# Altium PCB UDEMY__MFY.PcbDoc (part 2 of 2)
Units mil, origin at the board's own origin, x right, y up, seen from the top; angles counter-clockwise.
Board outline 3937.01 x 3858.27 mil, 4 copper layers (Top Layer, GROUND, POWER, Bottom Layer), stack 53.912 mil thick; 128 components, 88 nets, 446 pads, 136 vias.
Unrouted connection lines stored in the file: 62.
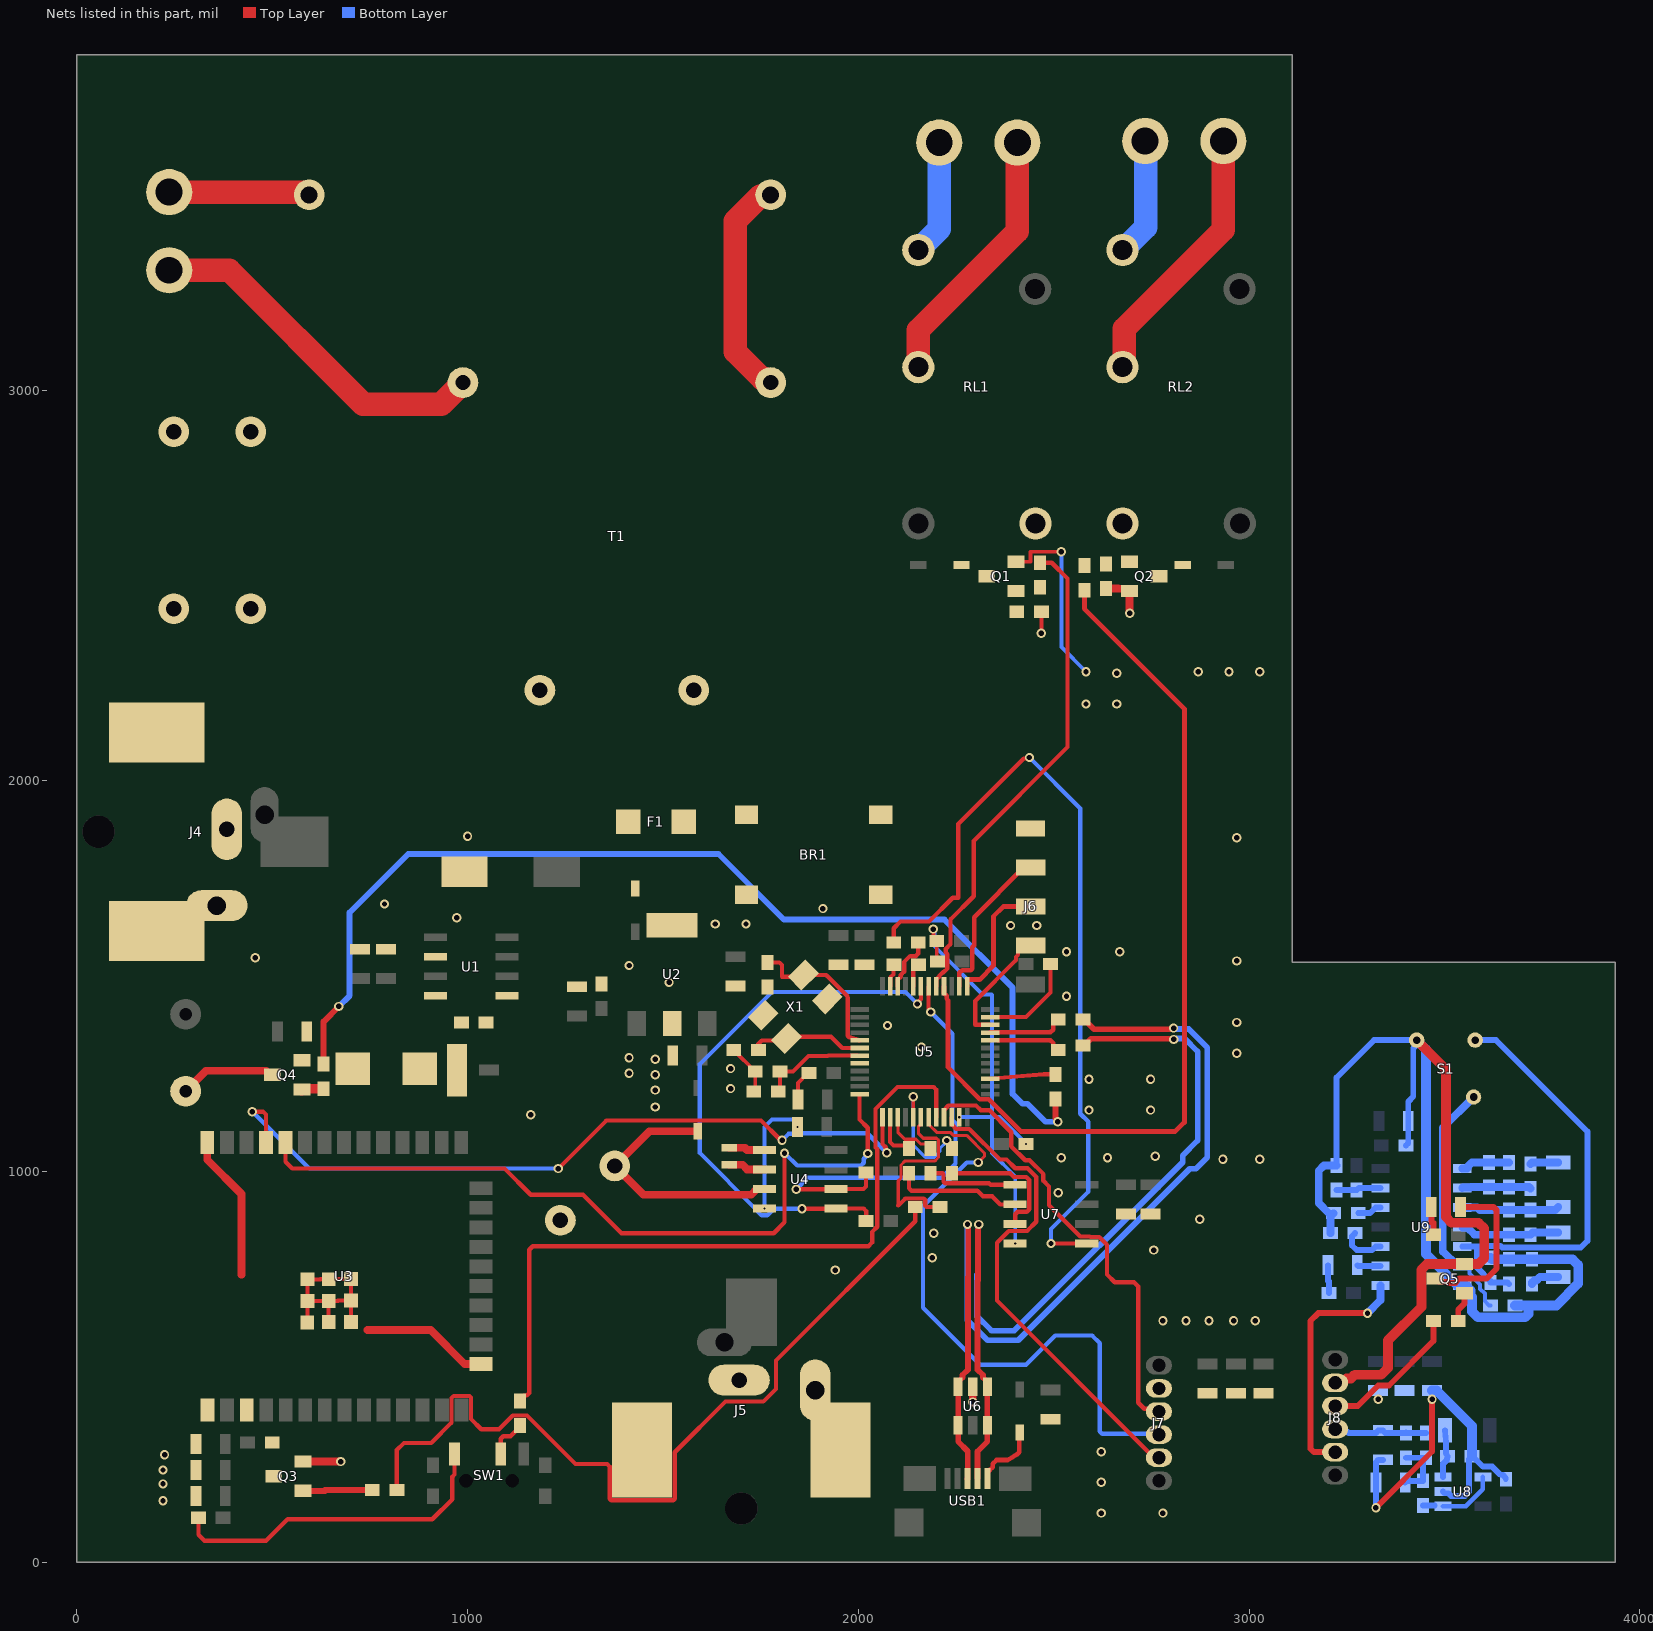
[diagram p4: the nets of this part, all layers, seen from the top]

## Via types
v1: diameter 23.62, hole 13.78, Top Layer to Bottom Layer, 123 vias
v2: diameter 11.81, hole 5.91, Top Layer to Bottom Layer, 11 vias
v3: diameter 19.68, hole 11.81, Top Layer to Bottom Layer, 1 vias
v4: diameter 19.68, hole 11.81, POWER to Bottom Layer, 1 vias

## Nets (pads, with @x,y where several pads share a name; then routed paths per layer and width w, separated by ;. In a path a pad name is that pad's centre, name@x,y a point inside that pad or via, vN(x,y) a via of type N, cw(c..) or ccw(c..) an arc to the next point about the centre after c; other vN are vias at no path point) (continued)
AC_LINE_1: J1.1 R1.1 | length 361.2
  Top Layer w60: J1.1@236.22,3507.09 582.33,3507.09 589.42,3500 R1.1@594.49,3500
AC_LINE_2: J1.2 T1.5 | length 916.7
  Top Layer w60: J1.2@236.22,3307.09 389.76,3307.09 732.28,2964.57 933.07,2964.57 T1.5@988.19,3019.69
BUZZER: R14.1 R18.2 | length 2793.9
  Top Layer w15: R14.1@631.5,1275.2 631.5,1383.86 v1(670.47,1422.84) ; R18.2@2505,1186 2505,1135.6 2510.57,1130.03 v1(2510.57,1127.7)
  Bottom Layer w15: v1(670.47,1422.84) 698.1,1450.46 698.1,1663.1 848,1813 1642,1813 1809.94,1645.06 2220.82,1645.06 2394.95,1470.93 2394.95,1198.89 2420,1173.84 2432.92,1173.84 2479.07,1127.7 v1(2510.57,1127.7)
GND: BR1.4 C1.2 C2.2 C3.1 C4.2 C5.1 C7.2 C8.1 C9.1 C10.1 C11.1 C12.1 C13.1 C14.1 C15.1 C16.2 C17.1 C18.1 C19.1 C20.2 C21.1 C22.1 C23.1 C24.1 C25.2 C26.2 C27.1 C28.1 C29.1 C30.1 C31.2 C32.1 C33.2 D4.A J4.2 J4.3 J5.2 J5.3 J6.5 J7.2 Q1.2 Q2.2 Q3.2 Q4.2 R3.1 R5.1 R12.1 R13.1 U1.6 U2.2 U3.1 U3.15 U3.38 U4. U4.4 U5.8 U5.23 U5.35 U5.47 U6.2 U7. U7.4 X1.2 X1.4 | length 4021.4
  Top Layer w10: U3.38@589.76,614.17 589.76,646.89 590.55,647.68 U3.38@590.55,669.29 ; U3.38@644.43,614.9 U3.38@644.43,669.29 ; U3.38@701.24,615.36 U3.38@701.24,669.75 ; C29.1@1681.14,1311.23 1684.64,1311.23 1695.14,1300.73 1695.14,1297.23 1722.25,1270.11 1722.25,1266.61 1732.75,1256.11 C30.1@1736.25,1256.11 1736.25,1208.7 R12.1@1732.28,1204.72 ; C26.2@1845.67,1185.04 1845.67,1227.13 1870.51,1251.97 C22.1@1874.01,1251.97 ; U5.47@2081.47,1474.03 2082.38,1474.93 2082.38,1497.23 2083.66,1498.51 2083.66,1498.99 2089.65,1504.98 2089.65,1527.98 R13.1@2091.29,1529.62 ; v1(2192.1,1620.75) 2192.1,1599.24 C19.1@2200.79,1590.55 2200.79,1539.84 C21.1@2202.39,1538.24 ; U5.35@2337.77,1395.29 2429.17,1395.29 2492.09,1458.21 C24.1@2492.09,1531.29 ; Q1.2@2403.55,2561.02 2440.2,2561.02 2440.2,2586.61 v1(2519.68,2586.61) ; v1(2468.5,2377.95) 2468.5,2402.57 R3.1@2468.52,2433.07 ; U3.38@590.55,669.29 U3.38@590.55,724.41 623.27,724.41 623.73,724.87 U3.38@701.24,724.87 U3.38@701.24,669.75 ; U3.38@590.55,669.29 U3.38@644.43,669.29 ; U3.38@644.43,669.29 668.07,669.29 668.53,669.75 U3.38@701.24,669.75
  Top Layer w20: U3.38@333.8,1074.8 333.8,1030.28 421.26,942.82 421.26,736.22 ; Q3.2@578.74,257.87 v1(675.2,257.87) ; 744.09,594.49 905.51,594.49 992.58,507.42 U3.15@1033.8,507.42 ; v1(2292.94,410.73) U6.2@2292.94,449.55 ; R5.1@2633.86,2492.12 2664.36,2492.12 2664.51,2491.97 2688.75,2491.97 Q2.2@2694.5,2486.22 v1(2694.5,2429.13)
  Bottom Layer w10: v2(1759.84,905.51) 1759.84,1114.17 1779.53,1133.86 1840.6,1133.86 1844.14,1130.32 1844.14,1114.52 v2(1844.49,1114.17) ; v1(2192.1,1620.75) 2194.71,1618.14 2194.71,1576.95 2317.89,1453.76 2341.51,1453.76 2342.52,1452.76 2342.52,1139.38 ; v2(2258.64,1139.38) 2342.52,1139.38 ; v2(2401.57,816.14) 2401.57,988.19 2342.52,1047.24 2342.52,1139.38 ; v2(2429.14,1070.87) 2428.8,1071.21 2428.8,1072.06 2361.48,1139.38 2342.52,1139.38 ; v1(2519.68,2586.61) 2519.68,2342.52 v1(2582.68,2279.53)
  other v1: 2622.05,125.98 2779.53,125.98 220.47,157.48 220.47,200.79 2622.05,204.72 220.47,236.22 224.41,275.59 2621.67,282.93 2779.53,618.11 2838.58,618.11 2897.64,618.11 2960.63,618.11 3015.75,618.11 1940.94,748.03 2188.98,779.53 2755.91,799.21 2192.91,842.52 2874.02,877.95 2511.81,946.19 2933.07,1031.5 3027.56,1031.5 2519.68,1035.43 2637.8,1035.43 2759.84,1039.37 1161.42,1145.67 2590.55,1157.48 2748.03,1157.48 1480.32,1165.35 1480.32,1208.66 1673.23,1212.6 2590.55,1236.22 2748.03,1236.22 1480.32,1248.03 1413.39,1251.97 1673.23,1263.78 1480.32,1287.4 1413.39,1291.34 2968.5,1303.15 2161.42,1318.9 2074.8,1374.02 2968.5,1381.89 2532.81,1448.82 1515.75,1484.25 1413.39,1527.56 2968.5,1539.37 456.69,1547.24 2532.81,1562.99 2669.29,1562.99 2389.76,1629.92 2456.69,1629.92 1633.86,1633.86 1712.6,1633.86 972.44,1649.61 1909.45,1673.23 787.4,1685.04 2968.5,1854.33 1000,1858.27 2582.68,2196.85 2661.42,2196.85 2661.42,2275.59 2870.08,2279.53 2948.82,2279.53 3027.56,2279.53
GND_S: C37.1 C39.1 C40.1 C41.1 C42.1 C43.1 C44.1 C45.1 C46.1 C47.1 C48.1 J8.2 Q5.2 R23.2 R25.2 R28.1 R30.1 R31.1 S1.3 U8.2 U9.7 | length 4632.5
  Top Layer w15: v1(3324.8,139.76) 3468.5,283.46 v1(3468.5,417.32)
  Top Layer w25: J8.2@3220.47,459.25 3238.09,459.25 3249.21,470.37 3255.83,470.37 3256.08,470.63 3260.87,470.63 3270.56,480.32 3338.53,480.32 3355.88,497.67 3355.88,568.48 3441.22,653.82 3441.22,749.13 3455.87,763.78 Q5.2@3551.18,763.78 3587.72,763.78 3602.36,778.42 3602.36,854.33 3587.72,868.98 3518.58,868.98 3503.94,883.62 3503.94,1261.81 S1.3@3429.13,1336.61
  Bottom Layer w15: C42.1@3224.2,1015.71 3224.2,1241.12 3319.7,1336.61 S1.3@3429.13,1336.61 3424.47,1331.95 3424.47,1319.61 3420.51,1315.64 3420.51,1192.17 3407.48,1179.14 C44.1@3407.48,1129.92 3407.48,1072.83 C45.1@3401.57,1066.93 ; v1(3324.8,139.76) C41.1@3324.8,204.72 3324.8,256.12 3331.08,262.4 C43.1@3342.52,262.4 ; U8.2@3496.06,181.1 3500.37,176.79 3510.22,176.79 3516.89,170.12 3552.49,170.12 3562.99,180.62 3562.99,263.78 R25.2@3570.87,271.65 ; R25.2@3571.05,271.84 3582.37,261.18 3598.63,244.92 3622.45,244.92 3643.3,224.06 3649.27,224.06 3657.27,216.06 C40.1@3657.27,213.08
  Bottom Layer w20: R31.1@3204.4,893.7 3178.3,919.81 3178.3,1001.89 3192.13,1015.71 C42.1@3224.2,1015.71 ; R30.1@3208.66,842.52 3208.66,885.83 R31.1@3216.53,893.7
  Bottom Layer w25: S1.3@3429.13,1336.61 3452.76,1312.99 3452.76,789.18 3533.66,708.27 U9.7@3556.22,708.27 ; C48.1@3468.5,439.57 3480.31,439.57 3570.87,349.01 R25.2@3570.87,271.65 ; U9.7@3556.4,706.99 3567.11,696.28 3567.11,682.83 3570.87,679.07 3570.87,641.83 3585.51,627.19 3706.28,627.19 3715.07,635.98 3715.07,657.69 ; R28.1@3617.64,779.06 R28.1@3618.11,779.53 ; R28.1@3621.11,775.59 3633.86,775.59 C39.1@3665.35,775.6 R23.2@3724.41,775.59 3827.88,775.59 3842.52,760.95 3842.52,713.19 3787.02,657.69 3715.07,657.69 ; C37.1@3681.07,657.69 3715.07,657.69
  other v1: 3330.71,417.32
LED_DRIVER: J7.3 U5.21 | length 1158.5
  Top Layer w11: U5.21@2219.67,1157.51 2220.1,1157.51 2226.55,1163.95 2226.55,1165.7 2230.36,1169.51 2301.11,1169.51 2313.24,1157.38 2335.26,1157.38 2391.64,1101 2391.64,1064.67 2427.18,1029.13 2438.06,1029.13 2473.6,993.59 2473.6,976.65 2488.19,962.06 2488.19,914.04 2568.08,834.14 2592.1,834.14 2593.76,832.48 2616.87,832.48 2636.68,812.67 2636.68,736.95 2656.5,717.13 2705.45,717.13 2716.35,706.22 2716.35,408.6 2732.05,392.9 2762.61,392.9 J7.3@2769.55,385.97
LED_S: J8.3 R36.1 | length 372.2
  Top Layer w15: J8.3@3220.47,400.2 3278.15,400.2 3330.71,452.76 3358.27,452.76 3472.44,566.93 R36.1@3472.44,618.11
LIGHT_1_GND: J3.2 RL1.3 | length 297
  Bottom Layer w60: RL1.3@2153.55,3359.06 2207.09,3412.6 J3.2@2207.09,3633.86
LIGHT_1_VCC: J3.1 RL1.2 | length 679.8
  Top Layer w60: RL1.2@2153.55,3059.06 2153.55,3153.55 2407.09,3407.09 J3.1@2407.09,3633.86
LIGHT_2_GND: J2.2 RL2.3 | length 297
  Bottom Layer w60: RL2.3@2681.85,3363.23 2735.39,3416.78 J2.2@2735.39,3638.04
LIGHT_2_VCC: J2.1 RL2.2 | length 679.8
  Top Layer w60: RL2.2@2680.72,3062.99 2680.72,3157.49 2934.26,3411.03 J2.1@2934.26,3637.8
MCU_N: R15.1 U5.32 | length 171.5
  Top Layer w12: U5.32@2355.39,1336.23 2491.78,1336.23 2498.81,1329.2 2498.81,1320.92 2508.31,1311.42 R15.1@2511.81,1311.42
MCU_P: R16.1 U5.33 | length 197.7
  Top Layer w12: U5.33@2337.77,1356.43 2491.78,1356.43 2498.81,1363.46 2498.81,1380.26 2508.31,1389.76 R16.1@2511.81,1389.76
NetBR1_1: BR1.1 T1.9
NetBR1_2: BR1.2 T1.7
NetBR1_3: BR1.3 F1.1 F1.3
NetBZ1_1: BZ1.1 Q4.3 | length 248.8
  Top Layer w20: BZ1.1@278.26,1205.99 330.28,1258.02 484.9,1258.02 495.28,1247.64 Q4.3@501.18,1247.64
NetC1_1: C1.1 C2.1 D7.2 F1.2
NetC6_1: C6.1 U1.1
NetC6_2: C6.2 D4.C L1.1 U1.8
NetC25_1: C25.1 D5.1 U4.3 | length 668.4
  Top Layer w20: D5.1@1588.58,1103.54 1465.75,1103.54 C25.1@1376.68,1014.48 1450.22,940.94 1725.59,940.94 1740.16,955.51 U4.3@1759.84,955.51
NetC28_2: C28.2 U5.5 X1.3 | length 395.5
  Top Layer w11: C28.2@1767.51,1535.48 1798.01,1535.48 1804.45,1529.03 1804.45,1498.88 1804.79,1498.54 1854.59,1498.54 X1.3@1859.46,1503.41 1913.3,1503.41 cw(c1913.3,1492.41) 1919.9,1501.21 cw(c1913.3,1492.41) 1921.07,1500.19 1969.78,1451.48 cw(c1962,1443.7) 1973,1443.7 1973,1350.01 ccw(c1979.5,1350.01) 1977.66,1343.78 2001.76,1336.64 U5.5@2003.13,1336.23
NetC29_2: C29.2 U5.6 X1.1 | length 294.2
  Top Layer w11: C29.2@1744.14,1311.23 1744.14,1326.81 1753,1335.68 1811.44,1335.68 X1.1@1816.31,1340.55 1821.18,1345.42 1929.86,1345.42 1958.73,1316.55 U5.6@2003.13,1316.55
NetC34_1: C34.1 C36.1 R24.1 U9.3 | length 251.7
  Bottom Layer w20: U9.3@3545.67,908.27 3583.9,908.27 3590.63,901.54 C34.1@3665.15,901.54 3689.93,901.54 ; C36.1@3791.34,909.45 3783.62,901.73 3760,901.73 3759.85,901.58 R24.1@3720.47,901.58 3689.97,901.58 ; 3689.93,901.54 3689.97,901.58
NetC34_2: C34.2 C35.1 R24.2 U9.4 | length 256.5
  Bottom Layer w20: U9.4@3545.67,858.27 3546.89,857.05 3558.9,857.05 3577.41,838.54 C34.2@3665.15,838.54 ; C34.2@3665.18,838.58 R24.2@3720.47,838.58 3720.47,838.99 3725.97,844.49 C35.1@3791.34,844.49
NetC35_2: C35.2 R23.1 | length 76.3
  Bottom Layer w20: R23.1@3724.41,712.59 3724.41,716.09 3729.91,721.59 3735.72,721.59 3744.44,730.32 C35.2@3791.34,730.32
NetC36_2: C36.2 R26.1 | length 72.5
  Bottom Layer w20: R26.1@3720.47,1019.69 3724.41,1023.62 C36.2@3791.34,1023.62
NetC37_2: C37.2 S1.1 U9.6 | length 632.5
  Bottom Layer w10: U9.6@3545.67,758.27 3557.68,758.27 3563.9,752.05 3563.9,739.25 3591.61,711.54 3591.61,700.05 3604.07,687.59 3604.07,668.19 3614.57,657.69 C37.2@3618.07,657.69
  Bottom Layer w20: U9.6@3545.67,758.27 3533.66,758.27 3496.06,795.87 3496.06,1112.2 S1.1@3574.8,1190.94
NetC38_1: C38.1 R26.2 R27.1 U9.2 | length 177.4
  Bottom Layer w20: U9.2@3545.67,958.27 3546.89,959.49 3567.2,959.49 3568.33,960.63 R27.1@3614.17,960.63 R27.1@3614.17,960.63 3716.49,960.67 R26.2@3720.47,956.69
NetC38_2: C38.2 R27.2 U9.1 | length 127.7
  Bottom Layer w20: U9.1@3545.67,1008.27 3557.68,1008.27 3558.9,1009.49 3558.9,1011.91 3570.61,1023.63 3644.67,1023.63 ; 3644.67,1023.67 C38.2@3665.56,1023.67
NetC39_2: C39.2 R28.2 S1.2 U9.5 | length 1143
  Bottom Layer w15: U9.5@3545.67,808.27 3583.86,808.27 ; S1.2@3578.74,1336.61 3631.89,1336.61 3866.14,1102.36 3866.14,822.83 3848.91,805.6 3685.41,805.6 3648.03,805.6 3644.1,809.53 3598.05,809.53 3596.79,808.27 3583.86,808.27 ; R28.2@3618.11,716.53 3618.11,720.03 3583.86,754.28 3583.86,808.27 ; R28.2@3623.61,716.53 3661.42,716.53 C39.2@3665.35,712.6
NetC41_2: C41.2 R29.2 R32.1 R33.1 | length 160.4
  Bottom Layer w15: C41.2@3399.61,204.72 3403.55,208.67 R29.2@3444.88,208.67 3444.88,259.84 R32.1@3452.76,267.71 R33.1@3401.57,267.71
NetC42_2: C42.2 R35.1 U9.13 | length 114.3
  Bottom Layer w15: C42.2@3224.2,952.71 R35.1@3275.55,952.71 ; R35.1@3275.59,952.76 3281.1,958.26 U9.13@3336.22,958.26
NetD1_2: D1.2 Q1.3 RL1.4
NetD2_2: D2.2 Q2.3 RL2.5
NetD3_2: D3.2 USB1.1 | length 165.9
  Top Layer w12: USB1.1@2330.9,214.57 2330.9,233.27 2332.77,235.14 2335.54,235.14 2344.34,243.94 2344.34,252.41 2353.71,261.78 2378.62,261.78 2382,261.78 2384.88,263.55 2407.65,277.49 2412.17,282.01 2412.17,310.13 D3.2@2413.39,324.8
NetD6_1: D6.1 U9.9 | length 59.9
  Bottom Layer w15: D6.1@3277.27,760.54 3279.55,758.26 U9.9@3336.22,758.26
NetD6_2: D6.2 R34.1 | length 73.5
  Bottom Layer w15: D6.2@3202.47,760.54 3202.47,719.95 3202.94,719.48 3204.72,719.48 R34.1@3204.72,688.98
NetJ7_5: J7.5 U5.22 | length 1257.6
  Top Layer w11: U5.22@2239.36,1139.38 2239.36,1121.26 2246.23,1114.39 2246.23,1113.07 2250.04,1109.26 2284.05,1109.26 2362.45,1030.87 2379.27,1030.87 2401.64,1008.5 2433.24,1008.5 2455.6,986.13 2455.6,871.61 2432.14,848.14 2385.01,848.14 2355.03,818.16 2355.03,670.02 2757.19,267.85 J7.5@2769.55,267.85
NetJ8_5: J8.5 U9.8 | length 631.9
  Top Layer w15: J8.5@3220.47,282.09 3166.27,282.09 3157.48,290.87 3157.48,618.11 3177.17,637.8 v1(3303.15,637.8)
  Bottom Layer w20: v1(3303.15,637.8) 3336.22,670.87 U9.8@3336.22,708.26
NetLED1_1: LED1.1 Q5.3 | length 422.3
  Top Layer w15: Q5.3@3476.38,726.38 3484.63,718.13 3507.1,718.13 3509.81,715.42 3528.03,715.42 3538.99,726.38 3608.27,726.38 3633.86,751.97 3633.86,901.14 3625.07,909.92 LED1.1@3541.47,909.92
NetLED1_2: LED1.2 R37.2 | length 77
  Top Layer w15: LED1.2@3466.67,909.92 3466.67,869.33 3466.92,869.08 3472.44,869.08 R37.2@3472.44,838.58
NetQ1_1: Q1.1 R2.1 R3.2
NetQ2_1: Q2.1 R4.1 R5.2
NetQ3_1: Q3.1 R8.2 | length 179.1
  Top Layer w15: Q3.1@578.74,183.07 634.85,183.07 634.85,185.04 R8.2@755.9,185.04
NetQ4_1: Q4.1 R14.2 | length 59
  Top Layer w25: Q4.1@574.41,1207.48 575.98,1207.48 580.7,1212.2 R14.2@631.5,1212.2
NetQ5_1: Q5.1 R36.2 | length 77.4
  Top Layer w15: R36.2@3535.44,618.11 3535.44,646.49 3551.18,662.24 Q5.1@3551.18,688.98
NetR1_2: R1.2 T1.1 | length 576.1
  Top Layer w60: T1.1@1775.59,3019.69 1770.52,3019.69 1761.15,3029.06 1754.41,3029.06 1685.04,3098.43 1685.04,3433.07 1748.38,3496.41 1772,3496.41 R1.2@1775.59,3500
NetR2_2: R2.2 U5.41 | length 1275.2
  Top Layer w11: U5.41@2199.58,1474.03 2199.58,1491.75 2206.86,1499.03 2206.86,1500.34 2216.71,1510.2 2218.04,1510.2 2227.89,1520.05 2227.89,1556.43 2223.68,1560.64 2223.68,1569.75 2236.22,1582.29 2236.22,1645.67 2295.28,1704.72 2295.28,1846.46 2535.43,2086.61 2535.43,2518.24 2495.07,2558.6 R2.2@2464.57,2558.6
NetR4_2: R4.2 U5.40 | length 2362
  Top Layer w12: U5.40@2219.27,1474.03 2219.27,1456.5 2226.05,1449.72 2226.05,1442.36 2229.54,1438.87 2229.54,1267.25 2311.25,1185.53 2333.28,1185.53 2415.92,1102.88 2811.55,1102.88 2834.65,1125.98 2834.65,2185.04 2578.74,2440.94 R4.2@2578.74,2488.19
NetR6_1: R6.1 SW1.2 | length 104.2
  Top Layer w11: SW1.2@1084.65,277.56 1084.65,316.39 1091.09,322.83 1109.8,322.83 1133.86,346.89 R6.1@1133.86,350.39
NetR11_1: R11.1 SW1.1 | length 862.2
  Top Layer w11: R11.1@311.02,114.17 311.02,70.87 326.77,55.12 484.25,55.12 539.37,110.24 909.72,110.24 960.67,161.19 960.67,218.82 966.54,224.69 SW1.1@966.54,277.56
NetR13_2: R13.2 U5.44 | length 62.4
  Top Layer w11: U5.44@2140.53,1474.03 2140.53,1513.89 cw(c2151.53,1513.89) 2140.54,1514.42 2140.79,1519.62 R13.2@2154.29,1529.62
NetR17_1: R17.1 U5.18 | length 489.2
  Top Layer w8: 2102.36,913.39 2102.36,976.29 2109.42,983.35 2109.42,1017.13 2119.85,1027.56 2196.6,1027.56 2201.28,1032.25 2201.28,1033.73 2205.54,1037.99 2205.54,1080.13 2200.05,1085.62 2166.14,1085.62 2153.71,1098.05 2153.71,1115.17 2160.21,1121.67 U5.18@2160.21,1139.38
  Top Layer w11: 2102.36,913.39 2120.43,931.45 2167.36,931.45 2171.17,927.64 2171.17,912.95 2174.67,909.45 R17.1@2208.67,909.45
NetR18_1: R18.1 U5.27 U5.@2337.77,1237.81 | length 167.7
  Top Layer w11: U5.@2337.77,1237.81 2342.73,1238.21 2474.5,1249 R18.1@2505,1249
NetR19_1: R19.1 U7.1 | length 240.1
  Top Layer w11: R19.1@2185.04,996.06 2215.54,996.06 2218.16,993.44 2218.16,974.37 2222.27,970.26 2334.73,970.26 2338.84,966.14 U7.1@2401.57,966.14
NetR20_1: R20.1 U7.3 | length 345.8
  Top Layer w11: R20.1@2240.16,996.06 2388.62,996.06 2398.23,986.45 2429.82,986.45 2437.6,978.68 2437.6,961.74 2437.6,957.96 2437.6,903.61 2431.42,897.43 2408.02,897.43 2401.57,890.98 U7.3@2401.57,866.14
NetR21_1: R21.1 U7.5 | length 2112.5
  Top Layer w11: R21.1@2090.54,1586.61 2090.54,1622.83 2107.87,1640.16 2181.1,1640.16 2241.73,1700.79 2255.91,1700.79 2255.91,1889.76 2423.64,2057.5 2435.45,2057.5 v1(2437.86,2059.91) ; v1(2493.31,816.14) U7.5@2584.65,816.14
  Bottom Layer w11: v1(2437.86,2059.91) 2568.24,1929.53 2568.24,1148.24 2588.87,1127.61 2588.87,948.77 2493.31,853.21 v1(2493.31,816.14)
NetR22_1: R22.1 U7.2 | length 327.3
  Top Layer w11: R22.1@2129.92,996.06 2129.92,957.58 2136.36,951.13 2304.77,951.13 2318.9,937.01 2342.52,937.01 2363.39,916.14 U7.2@2401.57,916.14
NetR25_1: R25.1 RT1.1 U8.3 | length 124.8
  Bottom Layer w15: U8.3@3496.06,218.5 3496.06,250.94 3505.18,260.06 3506.59,263.65 R25.1@3507.87,271.65 3503.9,279.65 3503.9,309.88 3503.52,314.59 RT1.1@3501.62,338.18
NetR29_1: R29.1 U8.1 U8.4 | length 181.9
  Bottom Layer w12: U8.1@3496.3,143.94 3555.3,143.94 3598.43,187.06 U8.4@3598.43,218.5
  Bottom Layer w15: R29.1@3444.88,145.67 U8.1@3475.38,145.67
NetR30_2: R30.2 U9.10 | length 115.8
  Bottom Layer w15: R30.2@3271.66,842.52 3263.78,834.64 3263.78,811.02 3275.59,799.21 3315.16,799.21 3324.21,808.26 U9.10@3336.22,808.26
NetR31_2: R31.2 U9.12 | length 62.7
  Bottom Layer w15: R31.2@3279.53,893.7 3309.65,893.7 3324.21,908.26 U9.12@3336.22,908.26
NetU4_1: U4.1 X2.1 | length 92.8
  Top Layer w20: X2.1@1669.29,1061.02 1709.8,1061.02 1715.32,1055.51 U4.1@1759.84,1055.51
NetU4_2: U4.2 X2.2 | length 96.1
  Top Layer w20: X2.2@1669.29,1017.72 1703.98,1017.72 1715.32,1006.38 1715.32,1005.51 U4.2@1759.84,1005.51
NRST: C30.2 R12.2 U5.7 | length 268.8
  Top Layer w10: R12.2@1795.28,1204.72 1799.25,1208.7 C30.2@1799.25,1256.11 1833.25,1256.11 1872.62,1295.48 1921.3,1295.48 1923.06,1297.24 U5.7@1998.03,1297.24
RTC_SCL: R9.1 U4.6 U5.42 | length 1134.4
  Top Layer w11: v1(1841,955) 1915,955 1915.51,955.51 U4.6@1942.91,955.51 2013.06,955.51 2019.5,961.96 R9.1@2019.5,998 ; U5.42@2179.9,1474.03 2179.9,1417.67 2185.58,1411.99 v1(2185.58,1408.58)
  Bottom Layer w11: v1(1841,955) 1870.25,984.25 2212.71,984.25 2248.66,1020.2 2248.66,1124.61 2241.14,1132.13 2241.14,1353.02 v1(2185.58,1408.58)
RTC_SDA: R10.1 U4.5 U5.43 | length 1449.7
  Top Layer w11: v1(1856,905) 1856.26,905.26 1942.66,905.26 U4.5@1942.91,905.51 2013.56,905.51 2020,899.07 R10.1@2020,874 ; v1(2151.2,1429.12) 2151.2,1432.38 2160.21,1441.4 U5.43@2160.21,1474.03
  Bottom Layer w11: v1(1856,905) 1784.01,905 1777.34,898.33 1777.34,898.26 1767.09,888.01 1752.59,888.01 1742.34,898.26 1742.34,899.66 1594.49,1047.51 1594.49,1275.49 1778.72,1459.72 2120.6,1459.72 v1(2151.2,1429.12)
SENSOR_ONOFF: R6.2 U5.20 | length 1887.6
  Top Layer w11: R6.2@1133.86,413.39 1133.86,416.89 1143.86,426.89 1151.23,426.89 1157.67,433.33 1157.67,800.21 1166.54,809.07 2026.06,809.07 2035.43,818.44 2035.43,845.74 2048.47,858.78 2048.47,1057.31 2043.79,1062 2043.79,1160.1 2100.22,1216.54 2192.73,1216.54 2199.18,1210.09 2199.18,1139.79 U5.20@2199.58,1139.38
SWCLK: J6.3 U5.37 | length 331
  Top Layer w12: U5.37@2278.72,1474.03 2278.72,1491.56 2278.81,1491.65 2310.57,1491.65 2345.92,1527 2345.92,1653 2371.39,1678.48 J6.3@2440.94,1678.48
SWDIO: J6.2 U5.34 | length 310.5
  Top Layer w11: U5.34@2337.77,1375.6 2299.15,1375.6 2299.15,1436.95 2403.59,1541.39 2403.59,1549.48 2408.85,1554.74 2408.85,1563.77 2423.82,1578.74 J6.2@2440.94,1578.74
TDI: J6.4 U5.38 | length 402.9
  Top Layer w12: U5.38@2258.64,1474.03 2258.64,1508.71 2265.67,1515.74 2287.29,1515.74 2291.39,1519.84 2291.39,1573.76 2296.61,1578.97 2296.61,1651.33 2423.96,1778.69 J6.4@2441.09,1778.69
TEMP_ADC: C43.2 J8.4 R32.2 R33.2 | length 242.6
  Bottom Layer w15: J8.4@3220.47,341.14 3228.24,333.38 3252.56,333.38 3255.22,330.71 3324.22,330.71 3330.71,337.2 C43.2@3342.52,337.2 3348.8,330.92 3369.18,330.92 3369.4,330.71 R33.2@3401.57,330.71 ; R33.2@3401.57,332.22 3403.08,330.71 R32.2@3452.76,330.71
TEMP_IN_CS: R22.2 U5.14 | length 118.8
  Top Layer w10: U5.14@2081.47,1139.38 2081.47,1076.01 2090.43,1067.06 2121.92,1067.06 R22.2@2129.92,1059.06
TEMP_IN_OT: R21.2 U5.46 | length 143
  Top Layer w11: U5.46@2101.16,1474.03 2101.16,1491.75 2101.56,1492.15 2101.99,1492.15 2108.44,1498.6 2108.44,1503.08 2117.3,1511.94 2117.3,1536.32 2132.6,1551.62 2147.1,1551.62 2153.54,1558.07 R21.2@2153.54,1586.61
TEMP_IN_SCLK: R19.2 U5.15 | length 137.9
  Top Layer w8: U5.15@2101.16,1137.48 2101.16,1100.76 2118.86,1083.06 2147.49,1083.06 2159.93,1070.62 2173.54,1070.62 2185.04,1059.12 R19.2@2185.04,1059.06
TEMP_IN_SIO: R20.2 U5.17 | length 325.9
  Top Layer w8: U5.17@2140.53,1139.38 v1(2140.53,1191.71) ; v1(2226.35,1079.81) 2227.28,1079.81 2232.28,1074.8 2232.28,1066.94 R20.2@2240.16,1059.06
  Bottom Layer w8: v1(2140.53,1191.71) 2140.53,1068.13 2171.79,1036.87 2194.35,1036.87 2208.86,1051.38 2208.86,1059.38 2226.35,1076.87 v1(2226.35,1079.81)
TEMPERATURE_ADC: J7.4 U5.19 | length 1603.3
  Top Layer w8: U5.19@2179.9,1139.38 2181.8,1137.48 2181.8,1119.23 2200.41,1100.62 2235.35,1100.62 2243.21,1092.76 2277.22,1092.76 2323.41,1046.57 2323.41,1039.94 v1(2307.09,1023.62)
  Bottom Layer w11: v1(2307.09,1023.62) 2277.54,1023.62 2165.35,911.44 2165.35,651.62 2311.09,505.88 2429.2,505.88 2504,580.69 2598.49,580.69 2618.11,561.07 2618.11,335.3 2624.55,328.86 2767.6,328.86 J7.4@2769.55,326.91
USB_N: R15.2 U6.1 U6.6 USB1.2 | length 2244.7
  Top Layer w14.7: USB1.2@2305.33,214.57 2304.8,215.09 2304.8,283.6 2330.34,309.14 U6.1@2330.34,449.55 2330.34,461.76 2318.9,473.2 2318.9,479.32 2305.29,492.93 2305.29,495.35 2305.29,499.64 2305.29,503.94 2305.29,515.75 2305.29,570.87 2305.29,633.86 2305.29,720.36 2306.15,721.22 2306.15,850.57 2306.75,851.17 2306.75,863.18 v1(2308.45,864.88) ; R15.2@2574.81,1322.83 2578.31,1322.83 2595.42,1339.94 2805.58,1339.94 v1(2807.09,1338.44)
  Bottom Layer w14.7: v1(2308.45,864.88) 2306.75,863.18 2306.75,851.17 2306.15,850.57 2306.15,738.41 2304.08,736.35 2304.08,630.11 2341.16,593.03 2399.2,593.03 2830.17,1024 2830.17,1041.5 2868.48,1079.81 2868.48,1307.51 2835.41,1340.58 2815.53,1340.58 2815.1,1340.15 2808.79,1340.15 v1(2807.09,1338.44)
USB_P: R16.2 U6.3 U6.4 USB1.3 | length 2379.2
  Top Layer w14.7: v1(2279.39,865.04) 2281.09,863.34 2281.09,851.01 2281.45,850.65 2281.45,731.45 2280.59,730.59 2280.59,492.93 2266.98,479.32 2266.98,473.2 2255.54,461.76 U6.3@2255.54,449.55 U6.4@2255.54,350.73 2255.54,309.14 2280.1,284.57 2280.1,214.76 USB1.3@2279.63,214.29 ; R16.2@2574.81,1389.76 2578.31,1389.76 2603.43,1364.64 2797.85,1364.64 2798.91,1365.71 2805.22,1365.71 v1(2806.93,1367.41)
  Bottom Layer w14.7: v1(2279.39,865.04) 2279.75,864.68 2279.75,746.94 2279.39,746.58 2279.39,619.88 2330.93,568.33 2409.43,568.33 2848.43,1007.34 2864.34,1007.34 2893.18,1036.17 2893.18,1317.74 2845.63,1365.28 2815.38,1365.28 2814.95,1365.71 2808.64,1365.71 v1(2806.93,1367.41)
WIFI_EN: R8.1 R17.2 | length 2188.1
  Top Layer w11: R8.1@818.9,185.04 818.9,287.41 837.03,305.53 906.79,305.53 958.8,357.54 958.8,420.42 964.18,425.79 1005,425.79 1008.8,421.98 1008.8,367.02 1034.99,340.83 1080.61,340.83 1115.67,375.89 1152.05,375.89 1276.4,251.54 1357.13,251.54 1363.58,245.09 1363.58,162.66 1367.39,158.85 1526.31,158.85 1530.12,162.66 1530.12,281.91 1659.87,411.67 1756.98,411.67 1789.12,443.81 1789.12,516.52 2145.67,873.06 R17.2@2145.67,909.45
WIFI_OUT: Q3.3 R7.2 U3.3
WIFI_RXD: U3.34 U5.12 | length 1998
  Top Layer w11: U3.34@533.8,1074.8 533.8,1025.25 551.18,1007.87 1094.49,1007.87 1161.42,940.94 1295.28,940.94 1393.7,842.52 1783.46,842.52 1811.18,870.24 v1(1811.18,1046.81) ; U5.12@2003.13,1198.44 2003.13,1133.48 2024.16,1112.45 v1(2024.16,1046.56)
  Bottom Layer w11: v1(1811.18,1046.81) 1812.56,1046.81 1843.62,1015.75 2007.15,1015.75 2013.97,1022.56 2013.97,1032.95 2024.16,1043.14 v1(2024.16,1046.56)
WIFI_TXD: U3.35 U5.13 | length 1989
  Top Layer w11: v1(448.82,1153.54) 476.45,1153.54 483.8,1146.2 483.8,1122.5 U3.35@483.8,1074.8 ; v1(1232.28,1007.87) 1355.12,1130.71 1751.18,1130.71 1798.92,1082.97 1802.6,1082.97 v1(1805.01,1080.55) ; U5.13@2061.79,1139.38 2061.79,1070.94 2070.37,1062.37 2070.37,1050.86 v1(2072.78,1048.45)
  Bottom Layer w11: v1(448.82,1153.54) 594.49,1007.87 v1(1232.28,1007.87) ; v1(1805.01,1080.55) 1821.14,1096.67 1851.74,1096.67 1853.49,1098.43 2022.8,1098.43 v1(2072.78,1048.45)
pads on no net: J4. J5. J7.6 J8.6 RL1.1 RL2.1 SW1. SW1.0 SW1.3 U1.2 U1.3 U1.5 U3.4 U3.5 U3.6 U3.7 U3.8 U3.9 U3.10 U3.11 U3.12 U3.13 U3.14 U3.16 U3.17 U3.18 U3.19 U3.20 U3.21 U3.22 U3.23 U3.24 U3.25 U3.26 U3.27 U3.28 U3.29 U3.30 U3.31 U3.32 U3.33 U3.36 U3.37 U4.7 U5.1 U5.2 U5.3 U5.4 U5.10 U5.11 U5.16 U5.25 U5.26 U5.28 U5.29 U5.30 U5.31 U5.39 U5.45 U5.@2238.95,1474.03 U7.6 U7.7 U9.11 USB1. USB1.4 USB1.5

## Polygon pours and split planes (outlines as drawn)
GND on Top Layer "Top Layer-GND" (solid, pour order 56): 11.81,1125.98 19.69,1133.86 1094.49,1133.86 1094.49,31.5 1102.36,23.62 3110.24,23.62 3110.24,2267.72 3073.19,2304.76 3074.8,2334.65 2129.92,2334.65 2129.92,2059.06 2055.12,2059.06 2129.92,2059.06 2137.8,1976.38 1027.53,1976.38 334.65,2212.95 334.65,3078.74 338.58,3082.68 106.3,3078.74 19.69,2992.13 19.69,2059.06 15.75,2059.06 14.67,2046.17 11.81,2043.31 14.23,2040.88 0,1870.08 11.81,1870.08
5VDC on Top Layer "Top Layer-5VDC" (solid, pour order 18): 1206.11,1313.19 1220.39,1328.56 1489.47,1328.56 1489.47,1457.07 1224.44,1457.07 1228.54,1588.4 1329.46,1620.84 1321.47,1832.5 1090.75,1832.5 1090.75,1639.58 1047.44,1639.58 1047.44,1567.3 1173.42,1567.3 1173.42,1379.74 1165.55,1379.74 1165.55,1335.02 1023.35,1335.02 1019.88,1324.62 1019.88,1167.7 1106.3,1167.7 1106.3,1316.75
3V3DC on Top Layer "3V3DC_L01_P021" (solid, pour order 21): 1655.38,1446.76 1631.55,1190.34 1639.43,1171.84 1555.23,1171.84 1540.66,1186.41 1565.07,1245.34 1565.07,1418.3 1566.42,1423.01 1571.32,1441.52 1598.09,1536.01 1622.64,1453.54 1627.22,1446.76 1620.53,1474.6 1614.09,1454.09 1648.93,1463.57 1573.68,1443.1 1598.93,1497.04 1597.36,1531.62 1598.93,1531.68 1598.93,1533.26 1673.34,1607.67 1885.15,1607.67 1916.65,1639.16 2066.65,1639.16 2070.14,1635.67 2068.56,1478.53 2070.14,1449 2064.23,1443.1 2049.72,1443.1 2048.54,1444.28 2049.72,1445.46 2049.72,1569.48 1754.66,1569.48 ccw(c1827.56,1461.25) 1723.66,1540.2 ccw(c1806.93,1407.67)
NetC1_1 on Top Layer "NETC1_1_L01_P028" (solid, pour order 28): 1321.88,1863.99 1392.43,1681.39 1501.15,1679.56 1478.35,1944 527.56,2409.37 527.56,2909.45 523.62,3023.62 374.02,3035.43 366.14,2311.02
GND_S on Top Layer "GND_S_L01_P055" (solid, remove dead copper, pour order 55): 3109.59,1532.73 3117.47,1540.6 3936.36,1540.6 3936.36,44.54 3896.99,5.17 3137.15,5.17 3089.91,52.41 3109.59,72.1 3109.59,1524.86
NetBR1_1 on Top Layer "NETBR1_1_L01_P004" (solid, pour order 4): 1511.81,2366.14 1515.75,2362.2 1515.75,2192.91 1588.05,2166.89 1841.82,2224.41 1980.32,2224.41 2141.73,2062.99 2141.73,1751.97 2011.81,1751.97 1972.44,1712.6 1972.44,1674.58 2037.4,1647.64 2203.37,1674.58 2212.6,1724.41 2261.88,1990.54 2235.73,2181.64 2079.57,2337.75
GND on Top Layer "Top Layer-GND 1" (solid, pour order 25): 547.24,574.8 759.84,574.8 763.78,578.74 759.84,582.68 759.84,779.53 377.95,779.53 217.55,598.93 205.24,118.55 225.72,125.61 283.52,122.05 283.52,133.87 283.58,129.6 346.87,128.74 370.08,500 370.08,571.19
NetBR1_2 on Top Layer "NETBR1_2_L01_P001" (solid, pour order 1): 1105.07,2347.75 1079.6,2273.4 ccw(c1362.4,2365.13) 1297.99,2074.89 1363.67,2104.64 cw(c778.73,-547.7) 2102.36,1824.02 2102.36,1862.2 2149.61,1944.88 cw(c2863.98,4916.51) 1206.95,2348.41 ccw(c1156.34,2277.11) 1105.73,2348.41 ccw(c1105.86,2347.62)
GND on Bottom Layer "Bottom Layer-GND" (solid, pour order 48): -15.75,2047.24 -11.81,2043.31 -11.81,1460.63 1106,1460.63 1110.24,1125.98 1110.24,358.27 204.72,358.27 145.67,299.21 145.67,7.87 3039.37,7.87 3090.55,59.06 3086.61,62.99 3086.61,2318.9 3082.68,2311.02 2543.31,2311.02 2535.43,2318.9 2535.43,2047.24 401.57,2047.24 401.57,2307.09 338.58,2307.09 334.65,2311.02 334.65,2952.76 279.53,3007.87 161.42,3000 161.42,2314.96 122.05,2275.59 122.05,2047.24
GND_S on Bottom Layer "GND_S_L04_P049" (solid, remove dead copper, pour order 49): 3114.17,1527.56 3122.05,1535.43 3940.94,1535.43 3940.94,39.37 3901.57,0 3141.73,0 3094.49,47.24 3114.17,66.93 3114.17,1519.69
3V3DC on POWER (split plane): 720.47,2055.12 2070.87,2055.12 2070.87,2667.91 2071.58,2667.04 2071.58,2535.43 2071.58,2043.97 2058.4,2030.78 626.64,2030.78 618.08,2039.34 615.78,2041.1 613.11,2042.21 610.24,2042.59 393.7,2042.59 390.83,2042.21 388.15,2041.1 385.86,2039.34 384.09,2037.04 382.98,2034.37 382.61,2031.5 382.61,1767.72 382.98,1764.85 383.77,1762.95 384.09,1762.17 385.86,1759.87 724.44,1421.29 726.74,1419.53 729.41,1418.42 732.28,1418.04 897.64,1418.04 900.51,1418.42 903.19,1419.53 905.48,1421.29 907.25,1423.59 908.35,1426.26 908.73,1429.13 908.73,1692.91 908.35,1695.79 907.25,1698.46 905.48,1700.76 903.19,1702.52 900.51,1703.63 897.64,1704.01 725.07,1704.01 692.86,1736.22 847.12,1890.48 1629.26,1890.48 1692.94,1826.8 1695.24,1825.04 1697.92,1823.93 1700.79,1823.55 2047.24,1823.55 2050.12,1823.93 2052.79,1825.04 2055.09,1826.8 2559.71,2331.42 2917.32,2331.42 2920.19,2331.8 2922.09,2332.59 2922.87,2332.91 2925.17,2334.67 3059.03,2468.53 3060.79,2470.83 3061.9,2473.51 3062.28,2476.38 3061.9,2479.25 3061.05,2481.29 3062.99,2481.03 3065.86,2481.41 3068.54,2482.52 3070.84,2484.28 3072.6,2486.58 3073.71,2489.25 3074.09,2492.13 3074.09,2763.78 3073.71,2766.65 3072.6,2769.33 3070.84,2771.62 3068.54,2773.39 3065.86,2774.5 3062.99,2774.87 2850.39,2774.87 2847.52,2774.5 2844.85,2773.39 2842.55,2771.62 2830.74,2759.81 2828.97,2757.52 2827.87,2754.84 2827.49,2751.97 2827.49,2567.59 2798.55,2538.65 2366.14,2538.65 2365.32,2538.55 2365.43,2539.37 2365.43,2748.03 2365.05,2750.9 2363.94,2753.58 2362.18,2755.88 2354.3,2763.75 2352,2765.51 2349.33,2766.62 2346.46,2767 2199.8,2767 2196.93,2766.62 2194.26,2765.51 2191.96,2763.75 2191.27,2763.06 2122.05,2763.06 2119.18,2762.69 2117.61,2762.04 2116.5,2761.58 2114.2,2759.81 2098.45,2744.07 2096.69,2741.77 2095.58,2739.09 2095.2,2736.22 2095.2,2711.01 2072.02,2687.82 2070.87,2686.42 2070.87,2783.46 3090.14,2783.46 3090.14,1576.95 3087.62,1575.41 3084.63,1572.85 3082.07,1569.86 3080.02,1566.5 3078.51,1562.87 3077.59,1559.04 3077.28,1555.12 3077.28,20.1 20.1,20.1 20.1,314.96 314.96,314.96 314.96,1133.86 20.1,1133.86 20.1,3188.98 720.47,3188.98
12VDC on POWER (split plane): 3051.9,2492.13 3052.19,2489.88 3049.57,2487.26 3048.31,2487.09 3045.63,2485.99 3043.34,2484.22 2912.73,2353.61 2555.12,2353.61 2552.25,2353.24 2549.57,2352.13 2547.27,2350.36 2042.65,1845.74 1705.38,1845.74 1641.7,1909.42 1639.41,1911.18 1638.62,1911.51 1636.73,1912.29 1633.86,1912.67 842.52,1912.67 839.65,1912.29 838.08,1911.64 836.97,1911.18 834.67,1909.42 669.32,1744.07 667.56,1741.77 666.45,1739.09 666.07,1736.22 666.45,1733.35 667.56,1730.67 669.32,1728.38 712.63,1685.07 713.93,1684.07 714.92,1683.3 717.6,1682.2 720.47,1681.82 886.54,1681.82 886.54,1440.23 736.88,1440.23 404.8,1772.31 404.8,2020.4 605.64,2020.4 614.2,2011.84 616.5,2010.08 619.18,2008.97 622.05,2008.59 2062.99,2008.59 2065.86,2008.97 2068.54,2010.08 2070.84,2011.84 2090.52,2031.52 2092.29,2033.82 2092.74,2034.93 2093.39,2036.5 2093.77,2039.37 2093.77,2535.43 2093.77,2666.94 2116.96,2690.13 2118.83,2692.41 2120.22,2695.02 2121.08,2697.85 2121.37,2700.79 2121.08,2703.73 2120.22,2706.56 2118.83,2709.16 2117.39,2710.91 2117.39,2731.62 2126.64,2740.87 2195.87,2740.87 2198.74,2741.25 2200.63,2742.04 2201.41,2742.36 2203.71,2744.12 2204.4,2744.81 2341.86,2744.81 2343.24,2743.44 2343.24,2539.37 2343.61,2536.5 2344.72,2533.82 2346.49,2531.52 2348.78,2529.76 2351.46,2528.65 2354.33,2528.28 2355.16,2528.38 2355.05,2527.56 2355.42,2524.69 2356.53,2522.01 2358.3,2519.71 2360.59,2517.95 2363.27,2516.84 2366.14,2516.46 2803.15,2516.46 2806.02,2516.84 2808.7,2517.95 2810.99,2519.71 2846.43,2555.15 2848.19,2557.44 2849.3,2560.12 2849.68,2562.99 2849.68,2747.37 2854.99,2752.68 3051.9,2752.68
3V3DC_S on POWER (split plane): 3916.91,20.1 3139.25,20.1 3139.25,1515.34 3916.91,1515.34
5VDC on POWER (split plane): 1150.28,1292.97 1150.28,1226.72 1119.26,1195.7 1072.02,1148.45 1070.14,1146.17 1068.75,1143.56 1067.89,1140.74 1067.6,1137.8 1067.6,1124.35 1060.21,1116.96 1058.33,1114.67 1056.94,1112.07 1056.08,1109.24 1055.79,1106.3 1055.79,1027.56 1056.08,1024.62 1056.94,1021.79 1058.33,1019.19 1060.21,1016.9 1063.67,1013.44 1063.67,744.09 1063.96,741.15 1064.81,738.33 1066.21,735.72 1068.08,733.44 1111.39,690.13 1113.67,688.26 1116.28,686.86 1119.11,686 1122.05,685.71 1666.99,685.71 1736.9,615.8 1736.9,533.8 1722.1,519.01 1021.99,519.01 1014.59,526.41 1012.31,528.28 1009.71,529.67 1006.88,530.53 1003.94,530.82 947.19,530.82 857.59,620.42 857.59,1194.54 1025.93,1362.88 1080.37,1362.88
GND on GROUND (split plane): 720.47,2055.12 2070.87,2055.12 2070.87,2783.46 3090.14,2783.46 3090.14,1538.76 3088.57,1537.42 3086.01,1534.43 3083.96,1531.07 3082.45,1527.43 3081.53,1523.61 3081.22,1519.69 3081.22,20.1 20.1,20.1 20.1,311.02 314.96,311.02 314.96,1129.92 20.1,1129.92 20.1,3188.98 720.47,3188.98
GND_S on GROUND (split plane): 3916.91,20.1 3158.94,20.1 3158.94,1515.34 3916.91,1515.34

## Keep-outs
Keep-Out Layer:
  lines w10: 0,0 3937.01,0 ; 0,0 0,3858.27 ; 0,0 3937.01,0 ; 0,0 0,3858.27 ; 0,3858.27 3110.24,3858.27 ; 0,3858.27 3110.24,3858.27 ; 3110.24,1535.43 3937.01,1535.43 ; 3110.24,1535.43 3110.24,3858.27 ; 3110.24,1535.43 3937.01,1535.43 ; 3110.24,1535.43 3110.24,3858.27 ; 3937.01,0 3937.01,1535.43 ; 3937.01,0 3937.01,1535.43

## Other copper
Top Layer:
  pour cut-out: 2173.23,1913.39 2177.66,1913.39 cw(c2242.21,1989.76) 2173.23,1917.36
  region net 12VDC: 956.69,1500.97 956.69,1519.69 686.3,1535.3 ccw(c683.07,1509.84) 681.59,1484.22 ccw(c821.01,2128.52) 885.17,1472.44 ccw(c883.78,1704.65) 956.69,1484.18
  region net WIFI_OUT: 474.41,322.93 480.32,317.03 482.28,319 529.53,319 cw(c581.9,336.4) 527.56,326.77 cw(c555.07,319.36) 528.94,330.71 529.53,330.71 527.56,332.36 524.18,331.76 486.22,338.48 477.19,347.51 460.73,354.33 460.73,354.23 456.69,362.2 cw(c484.16,379.15) 451.89,379.15 451.89,425.2 417.32,425.2 416.96,421.67 417.2,385.65 417.32,366.14 417.32,346.46 425.2,346.46 429.13,342.52 468.05,342.52 474.41,338.48 474.41,335.2 474.41,346.26 474.41,338.48
  region net 3V3DC: 460.63,90.55 460.63,125.98 452.76,133.86 409.45,133.86 409.45,271.65 468.5,271.65 464.57,271.65 464.57,275.59 464.57,334.65 409.45,334.65 409.45,433.07 366.14,433.07 361.22,352.36 358.27,346.46 350.39,338.58 350.39,94.49 354.33,90.55
  region net 3V3DC: 1887.99,1216.14 1888.78,1215.36 1919.1,1216.14 1949.41,1215.36 1950.2,1216.14 1957.68,1216.14 1957.68,1208.66 1957.68,1082.68 1985.24,1082.68 2004.13,1063.78 2003.35,1062.99 2003.35,1025.98 1887.21,1025.98 1887.21,1076.38
  region net 3V3DC: 2730.85,531.09 2730.85,511.65 2730.85,480.24 3067.53,481.53 3067.56,495.58 3067.56,555.91 2731.67,555.91
  region net NetBR1_3: 1744.82,1935.09 1744.39,1876.22 1637.8,1858.12 1503.57,1861.29 1503.57,1919.13 1495.6,1935.09
  region net NetJ8_5: 3255.91,257.09 3185.04,257.09 3177.17,264.96 3177.17,296.46 3188.98,308.27 3251.97,308.27 3251.97,305.96 3255.91,304.33
  region net 3V3DC_S: 3185.04,543.31 3255.91,543.31 3263.78,535.43 3263.78,503.94 3251.97,492.13 3188.98,492.13 3188.98,494.43 3185.04,496.06
  region net GND_S: 3185.04,484.25 3255.91,484.25 3263.78,476.38 3263.78,444.88 3251.97,433.07 3188.98,433.07 3188.98,435.38 3185.04,437.01
  region net LED_S: 3185.04,425.2 3255.91,425.2 3263.78,417.32 3263.78,385.83 3251.97,374.02 3188.98,374.02 3188.98,376.32 3185.04,377.95
  region net NetC6_2: 946.19,1417.32 862.2,1437.01 885.83,1464.57 947.77,1464.57 1011.81,1417.32 1011.81,1177.17 807.09,1177.17 807.09,1330.71 943.31,1330.71
  pour cut-out: 2509.36,1440.94 2818.9,1440.94 2850.39,1409.45 2850.39,1307.09 2827.27,1283.96 2405.02,1283.96 2368.39,1320.58 2368.39,1391.36 2414.61,1438.69
  pour cut-out: 2502.18,1448.11 2811.73,1448.11 2850.39,1409.45 2850.39,1303.15 2814.96,1267.72 2409.45,1267.72 2366.14,1311.02 2366.14,1389.76 2424.93,1448.55
  pour cut-out: 2600.81,1412.26 2601.93,1413.39 2818.9,1413.39 2850.39,1381.89 2850.39,1279.53 2845.87,1275 2482.5,1275 2482.5,1408.96 2483.51,1409.97 2485.81,1412.26
  pour cut-out: 3064.27,1913.39 3066.93,1913.39 3066.93,1962.6
  region net 12VDC: 2913.39,2539.37 3019.68,2539.37 3019.68,2712.6 3015.75,2716.54 3007.87,2716.54 2913.39,2716.54
  region net 12VDC: 2204.72,2700.79 2102.36,2700.79 2102.36,2535.43 2200.97,2539.38
  region net 12VDC: 433.07,2003.94 433.07,1736.22 665.35,1736.22 665.35,1948.82 527.56,1948.82 527.56,2003.94
  region net WIFI_OUT: 527.56,200.79 476.38,200.79 476.38,322.83 480.32,326.77 527.56,326.77
  pour cut-out: 474.41,338.48 474.61,338.48 474.61,346.26 474.41,346.26
  region net NetQ1_1: 2496.06,2525.59 2496.06,2462.6 2488.19,2462.6 2464.57,2458.66 2437.01,2454.72 2437.01,2403.54 2374.02,2403.54 2374.02,2525.59
  region net NetD1_2: 2507.87,2720.47 2503.94,2716.54 2503.94,2602.36 2366.14,2602.36 2350.39,2586.61 2350.39,2496.06 2236.22,2496.06 2224.41,2507.87 2224.41,2570.87 2393.7,2720.47
  region net NetQ2_1: 2728.35,2590.55 2728.35,2523.62 2551.18,2523.62 2551.18,2590.55
  region net NetD2_2: 2740.16,2503.94 2854.33,2503.94 2858.27,2507.87 2858.27,2574.8 2862.2,2578.74 2862.2,2720.47 2614.17,2720.47 2602.36,2708.66 2622,2598.68 2748.03,2598.43 2749.34,2574.8 2748.03,2574.8 2740.16,2566.93
  region net NetC6_1: 1051.18,1417.32 1051.18,1468.5 1141.73,1468.5 1141.73,1354.33 1023.62,1354.33 1023.62,1417.32
Bottom Layer:
  region net 5VDC: 1098.43,1181.1 1102.36,1185.04 1088.58,1185.04 1088.58,1173.23 1090.55,1173.23
  region net 5VDC: 1018.9,1283.86 1018.5,1283.46 1005.17,1272.88 1004.33,1271.65 1005.51,1270.47 1019.68,1270.47
  region net 5VDC: 525.2,1390.55 525.2,1338.19 588.58,1338.19 589.76,1337.01 593.7,1340.95 593.7,1391.73 525.98,1391.73 525.59,1391.34
  region net 5VDC: 1015.75,1324.8 1015.75,1177.17 1094.49,1177.17 1102.36,1185.04 1102.36,1324.8
  region net 5VDC: 1004.33,1271.1 1004.33,1251.57 1021.26,1234.65 1024.8,1234.65 1024.8,1253.54 1024.8,1277.95 1023.77,1278.98
  region net 5VDC: 1042.13,1167.32 1042.13,1177.56 1029.53,1177.56
  region net 3V3DC_S: 3206.39,564.53 3186.71,544.85 3186.71,540.91 3241.82,540.91 3243.79,542.88 3222.14,564.53
  region net GND_S: 3177.17,484.25 3259.84,484.25 3287.4,456.69 3503.94,456.69 3509.63,455.35 3531.5,389.76 3291.34,389.76 3248.03,433.07 3177.17,433.07
  region net 3V3DC_S: 3377.95,547.24 3377.95,555.12 3385.83,562.99 3413.39,562.99 3421.26,557.73 3421.26,547.24 3385.83,547.24
  region net 3V3DC_S: 3251.97,1047.24 3251.97,984.25 3366.14,984.25 3370.08,988.19 3370.08,1157.48 3362.2,1165.35 3251.97,1165.35
  region net 3V3DC_S: 3177.17,492.13 3503.94,492.13 3511.81,500 3511.81,551.18 3177.17,551.18
  region net TEMP_ADC: 3185.04,366.14 3255.91,366.14 3263.78,358.27 3263.78,326.77 3251.97,314.96 3188.98,314.96 3188.98,317.27 3185.04,318.9
GROUND (plane layer: these items are gaps in the copper):
  rectangle: -23.62,311.02 314.96,1129.92
  rectangle: 2051.18,2783.46 3102.36,3236.22
  rectangle: 720.47,2055.12 2070.87,3870.08
  rectangle: 3.94,3188.98 3129.92,3874.02
  lines w50: 3106.3,3.94 3106.3,1519.69 ; 3118.11,3.94 3118.11,929.13 3118.11,1535.43 ; 3133.86,11.81 3133.86,1519.69
POWER (plane layer: these items are gaps in the copper):
  rectangle: -3.94,314.96 314.96,1133.86
  rectangle: 3.94,3188.98 3129.92,3874.02
  rectangle: 2051.18,2783.46 3102.36,3236.22
  rectangle: 720.47,2055.12 2070.87,3870.08
  lines w12: 2354.33,2539.37 2366.14,2527.56 ; 3051.18,2476.38 3051.18,2480.31 3062.99,2492.13
  lines w22: 2082.68,2677.17 2082.68,2535.43 2082.68,2039.37 2062.99,2019.69 622.05,2019.69 610.24,2031.5 539.37,2031.5 393.7,2031.5 393.7,1767.72 732.28,1429.13 897.64,1429.13 897.64,1692.91 720.47,1692.91 677.17,1736.22 842.52,1901.57 1633.86,1901.57 1700.79,1834.65 2047.24,1834.65 2555.12,2342.52 2917.32,2342.52 3051.18,2476.38 ; 2106.3,2700.79 2106.3,2736.22 2122.05,2751.97 2170.28,2751.97 2195.87,2751.97 2199.8,2755.91 2240.16,2755.91 2346.46,2755.91 2354.33,2748.03 2354.33,2539.37 ; 2366.14,2527.56 2803.15,2527.56 2838.58,2562.99 2838.58,2751.97 2850.39,2763.78 3062.99,2763.78 3062.99,2492.13
  lines w30: 7.87,3732.28 7.87,3854.33 ; 279.53,3846.46 283.46,3850.39 ; 2082.68,2677.17 2106.3,2700.79 ; 842.52,614.17 842.52,1200.79 1019.69,1377.95 1086.61,1377.95 1165.35,1299.21 1165.35,1220.47 1129.92,1185.04 1082.68,1137.8 1082.68,1118.11 1070.87,1106.3 1070.87,1027.56 1078.74,1019.69 1078.74,744.09 1122.05,700.79 1673.23,700.79 1751.97,622.05 1751.97,527.56 1728.35,503.94 1015.75,503.94 1003.94,515.75 940.94,515.75 842.52,614.17
  lines w50: 3102.36,1555.12 3102.36,7.87 3112.2,-1.97 ; 3106.3,1535.43 3106.3,0 3110.24,-3.94 3114.17,0 3114.17,1515.75

## Silkscreen, mask and mechanical layers (free items; w line width, h text height)
Top Overlay:
  drawing of 2425 lines, arcs and shapes, not listed
  text "220V-AC" at 456.69,3338.58 h70.87 r90
  text "12V" at 437.01,2078.74 h70.87
  text "PROG." at 2850.39,1393.7 h70.87 r270
  text "WIRELESS SECURITY DEDECTOR" at 3055.12,657.48 h70.87 r90
  text "5V" at 1500,539.37 h70.87 r90
  text "SENSOR" at 2933.07,98.43 h51.18 r90
Bottom Overlay:
  drawing of 1856 lines, arcs and shapes, not listed
  text "SENSOR" at 3129.92,51.18 h51.18

## Text inside footprints (layer, text, board x,y; h text height)
BR1: Top Overlay "~" at 1992.78,1909.45 h19.68 r90; Top Overlay "~" at 1992.78,1708.66 h19.68 r90
J7: Top Overlay "1" at 2844.35,584.78 h31.5 r90
J8: Bottom Overlay "1" at 3145.67,599.01 h31.5 r270
S1: Top Overlay "G" at 3413.39,1366.14 h31.5; Top Overlay "S" at 3570.87,1358.27 h31.5; Top Overlay "D" at 3566.93,1216.54 h31.5
T1: Top Overlay "OUTPUT" at 1661.42,2000 h31.5; Top Overlay "INPUT" at 905.51,3232.28 h31.5 r180